# Altium PCB PIX_NANO.PcbDoc (part 1 of 2)
Units mm, origin at the board's own origin, x right, y up, seen from the top; angles counter-clockwise.
Board outline 33.01 x 30.01 mm, 4 copper layers (Top Layer, Mid-Layer 1, Mid-Layer 2, Bottom Layer); 90 components, 171 nets, 602 pads, 191 vias.
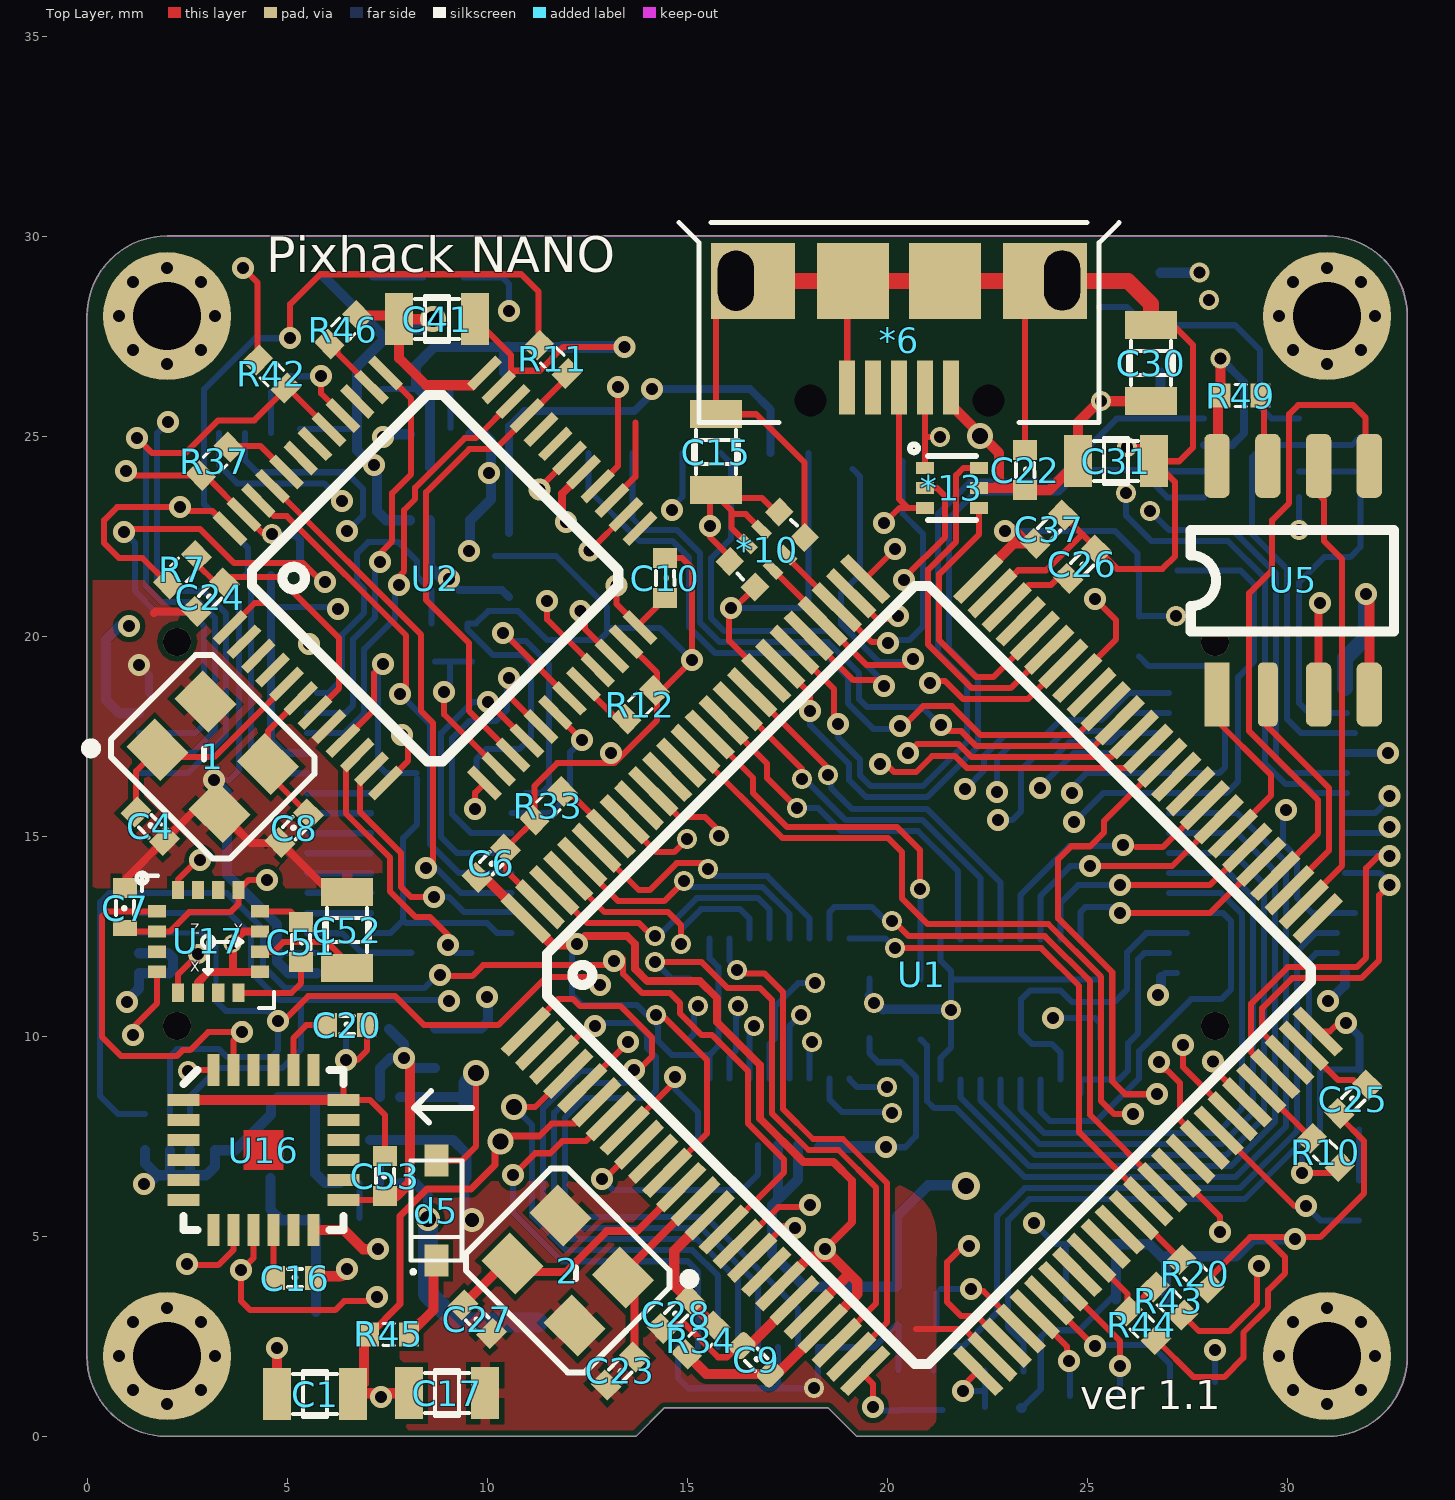
[diagram p0: Top Layer view]
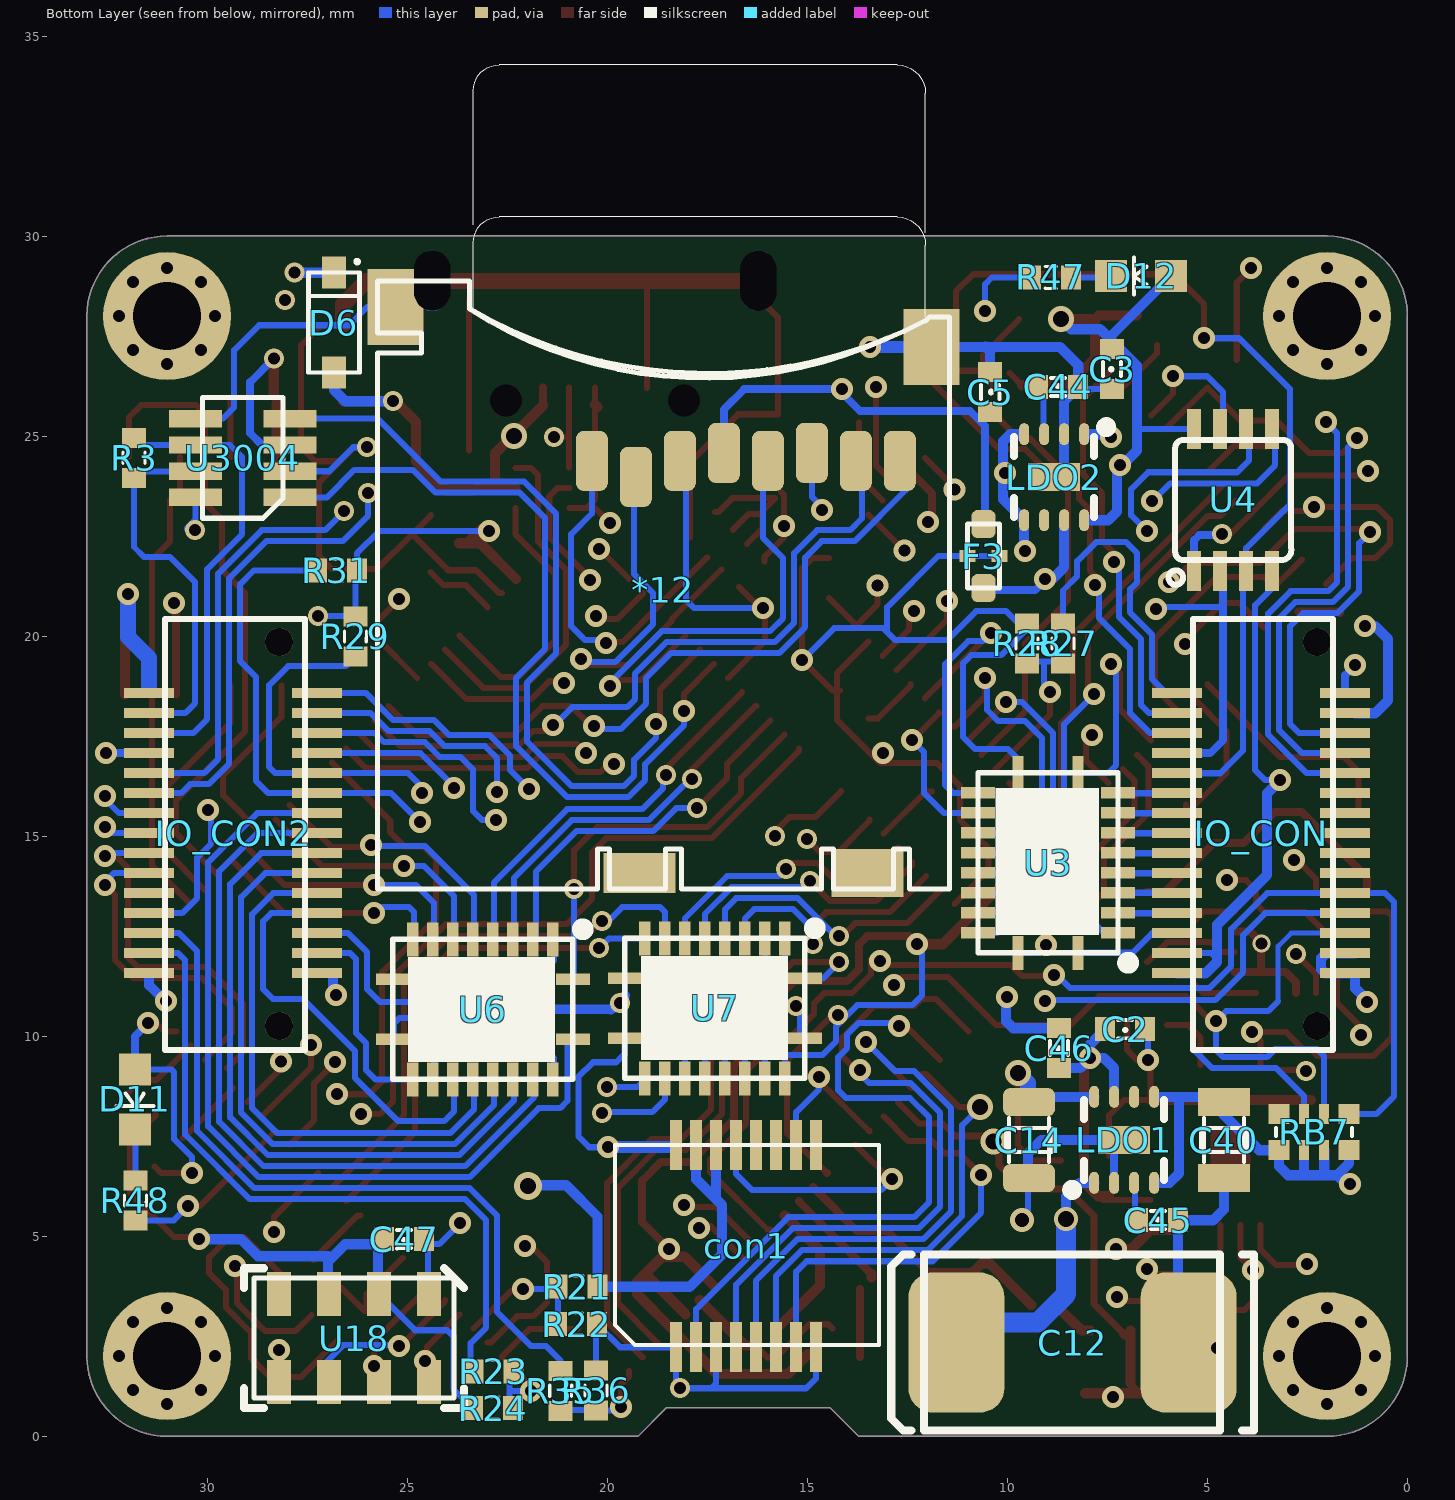
[diagram p1: Bottom Layer view, seen from below]
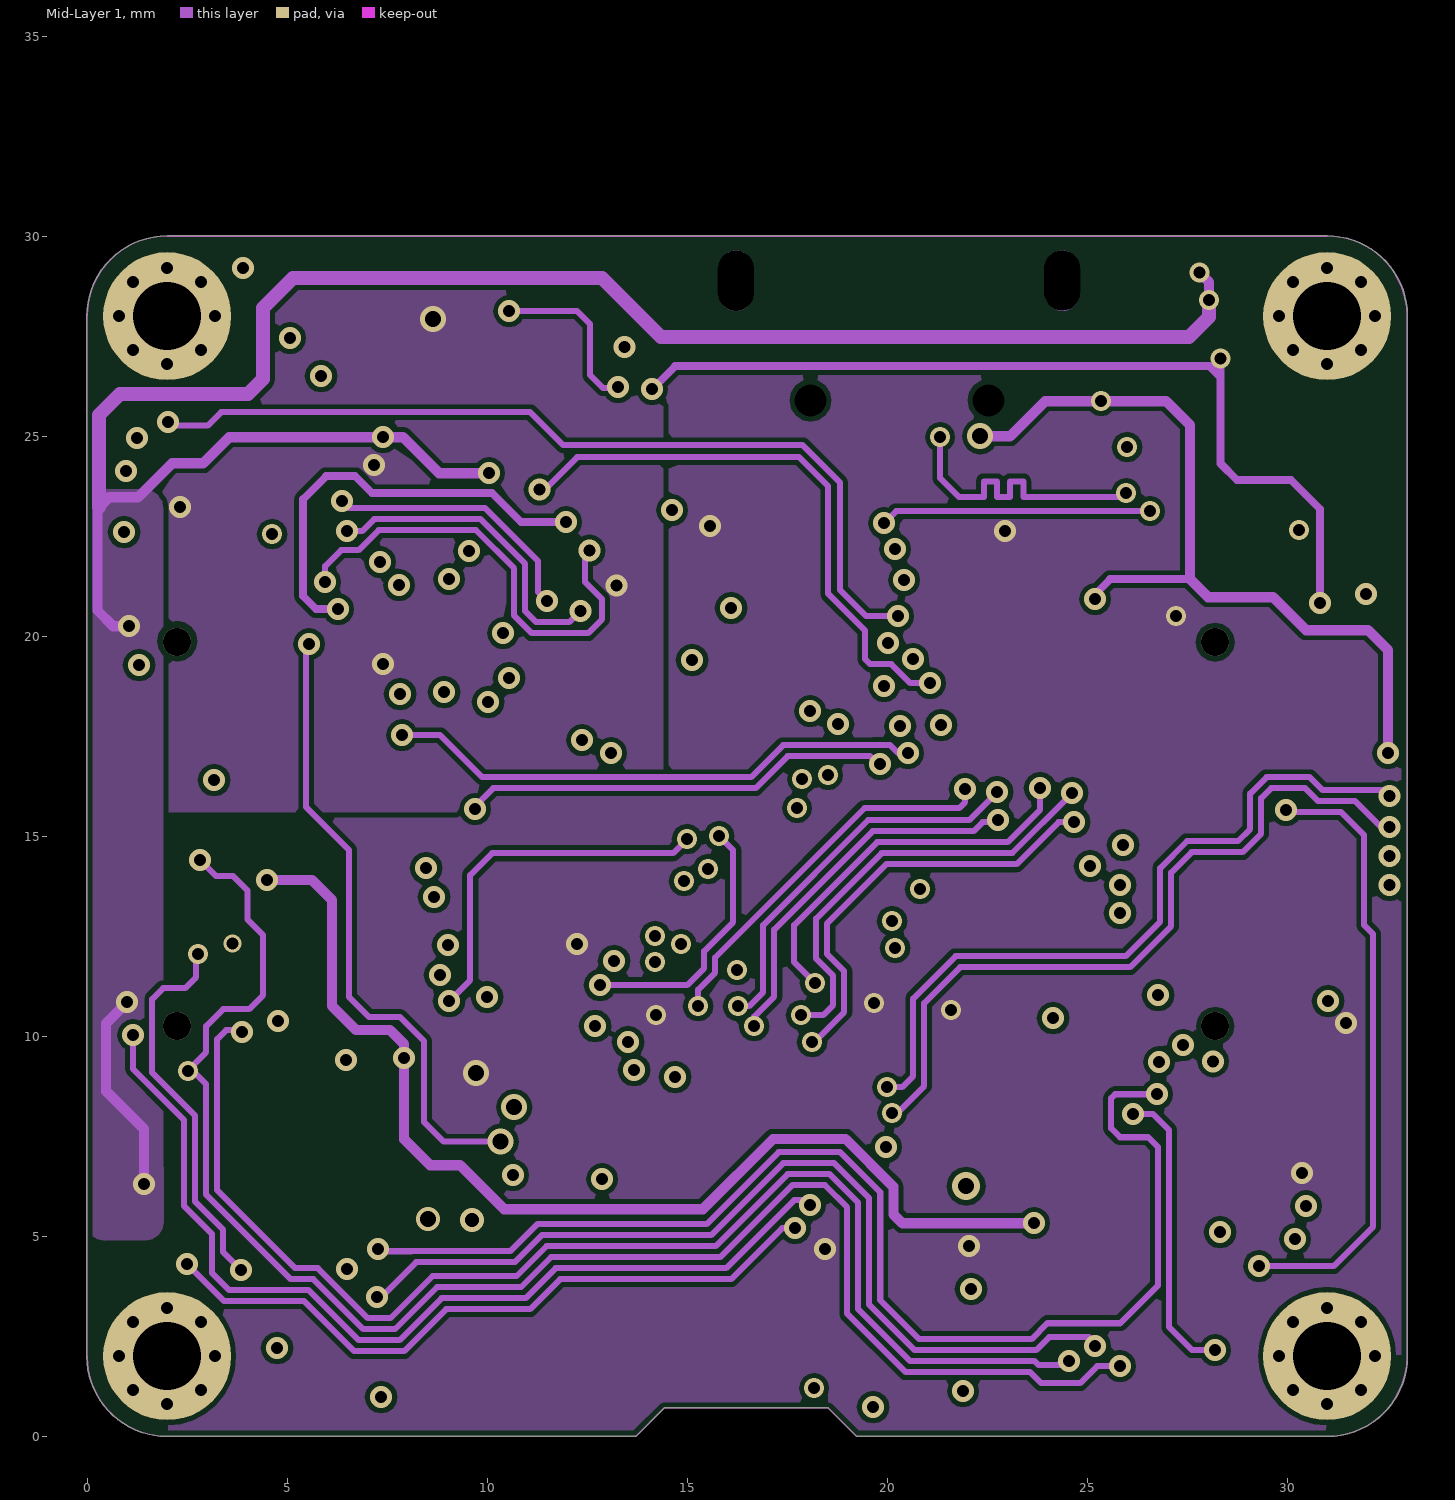
[diagram p2: Mid-Layer 1]
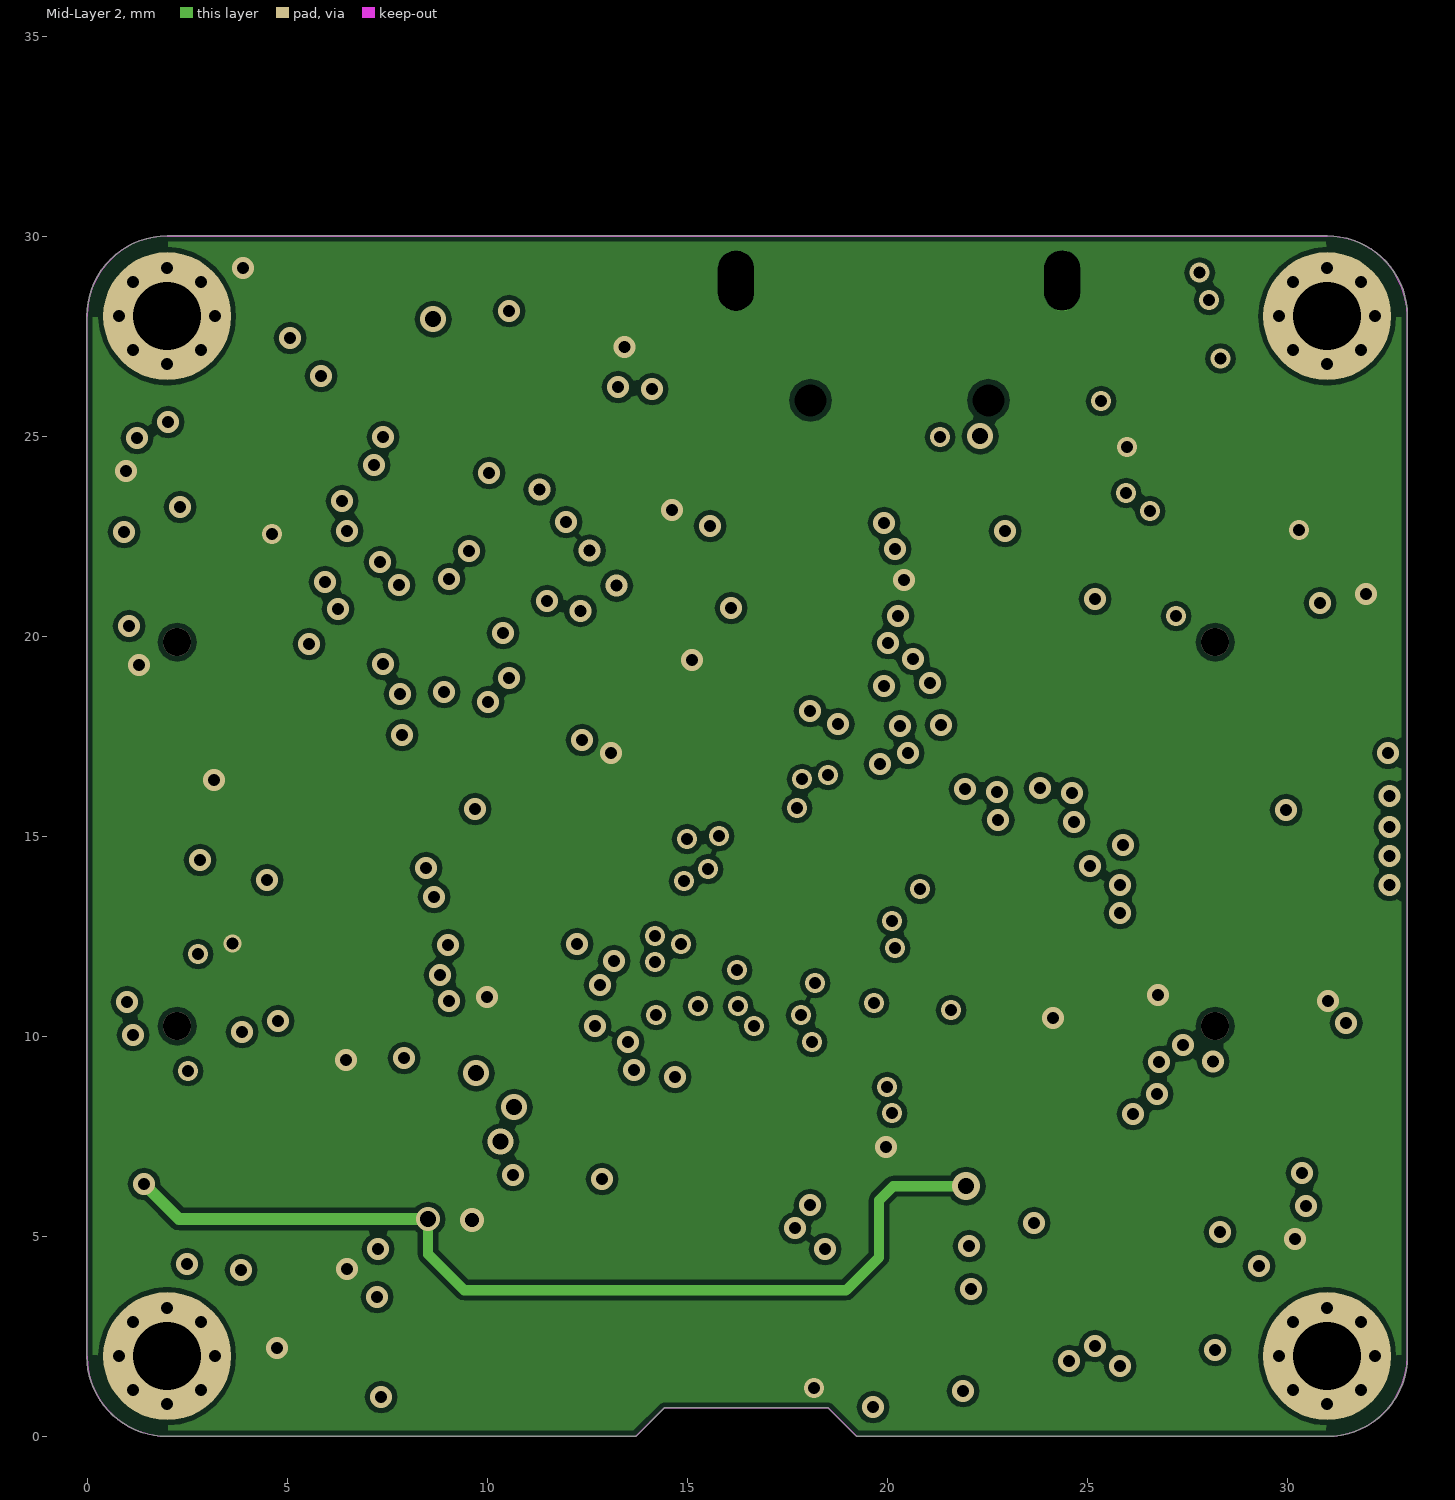
[diagram p3: Mid-Layer 2]
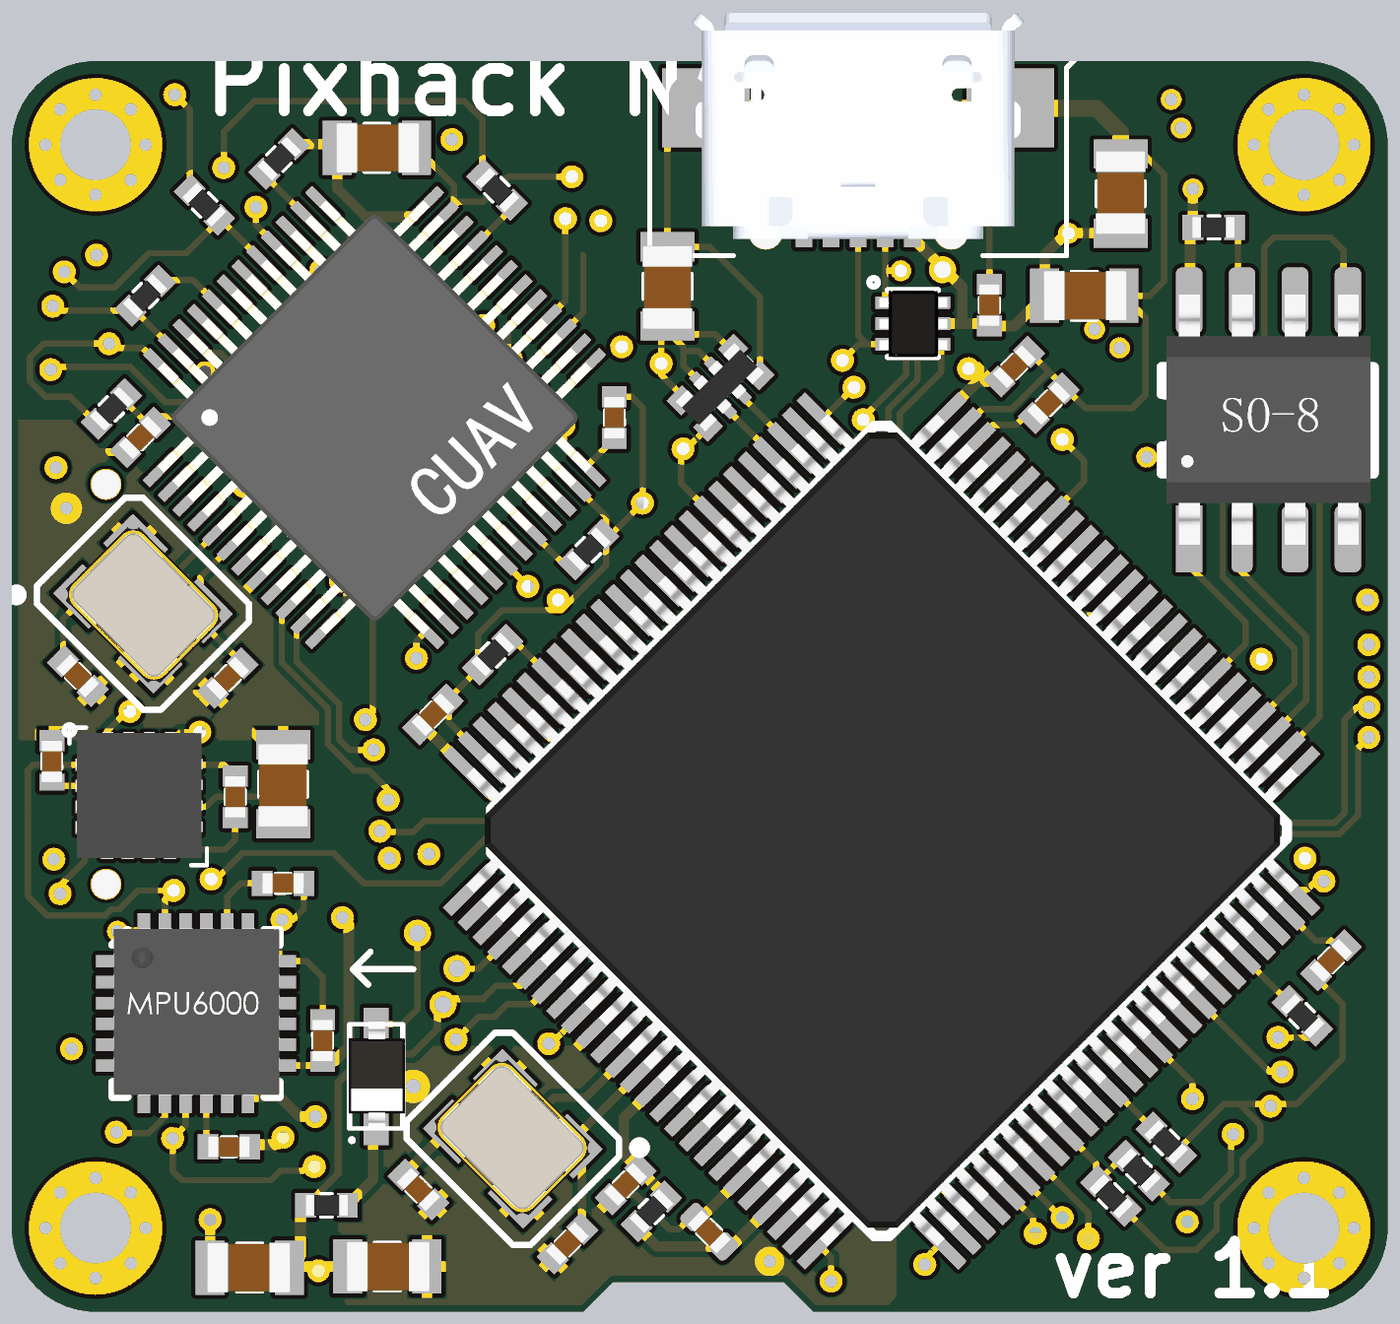
[diagram p5: 3D render of the assembled board from above, using the file's embedded part models]
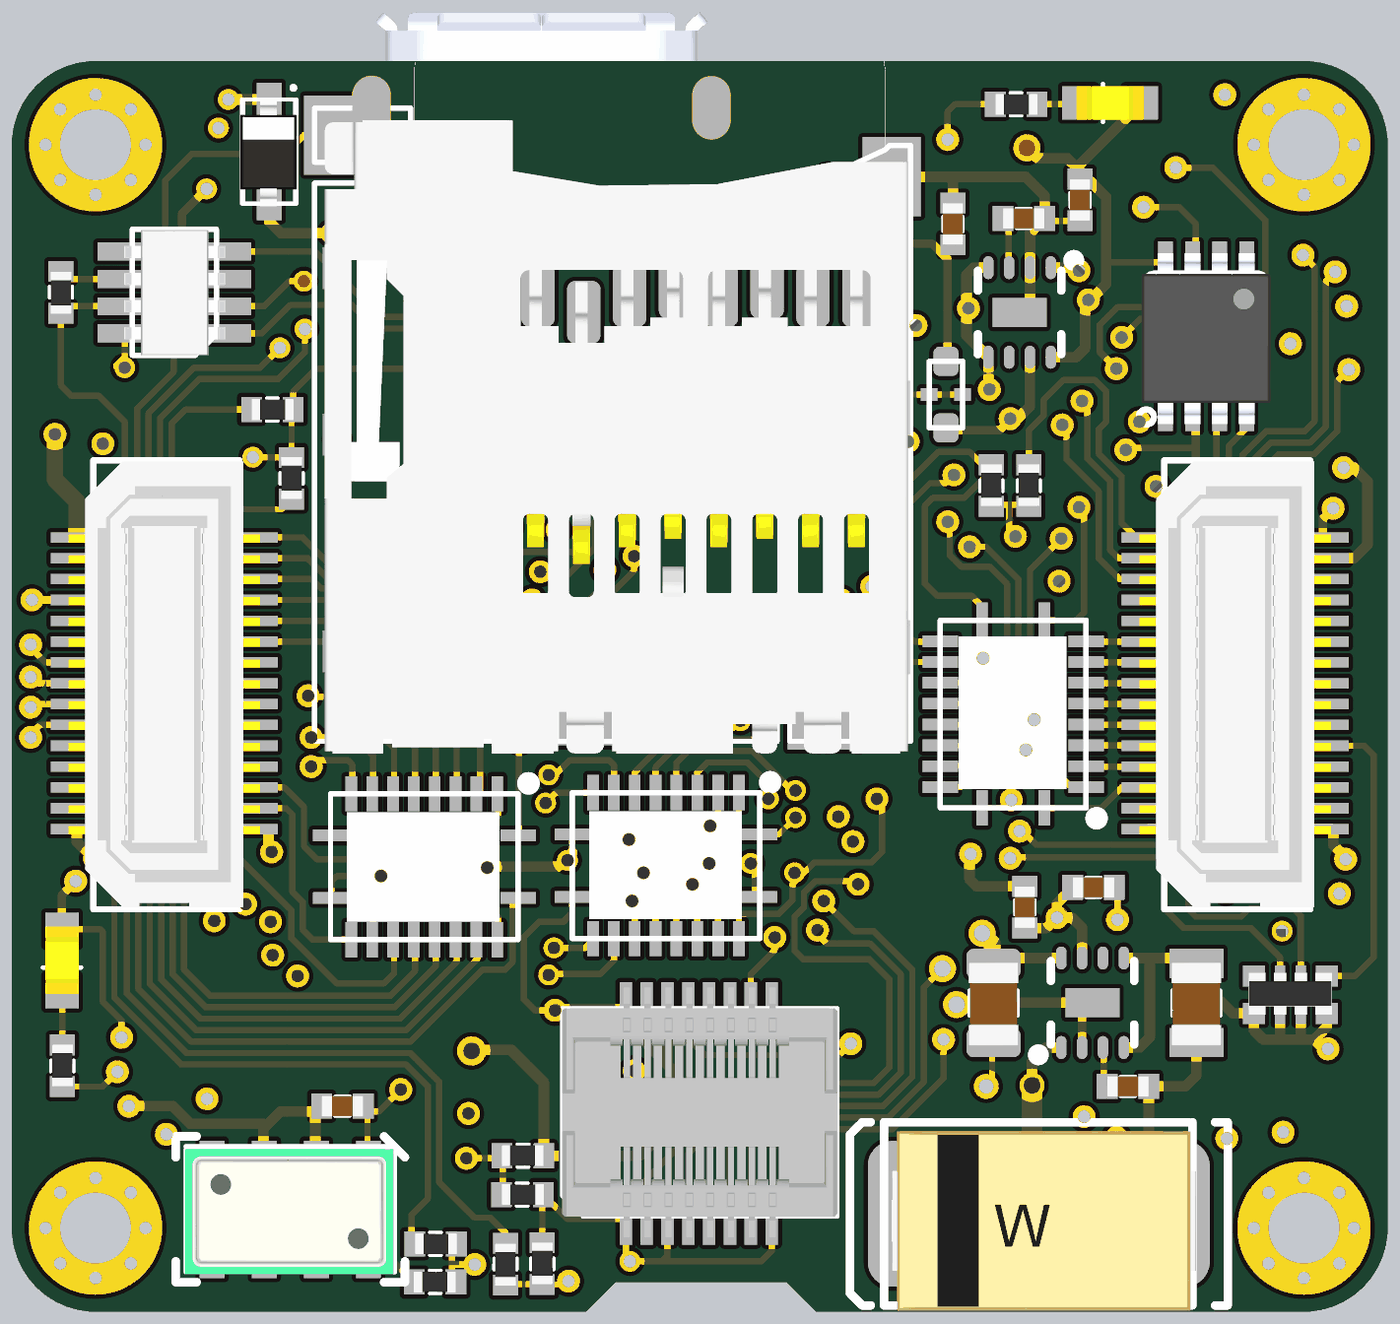
[diagram p6: 3D render of the assembled board from below, using the file's embedded part models]

## Layer stack, top to bottom
Top Solder: solder mask 0.0102, Solder Resist, Dk 3.5
Top Layer: signal copper 0.0356
Dielectric1: core 0.32, FR-4, Dk 4.8
Mid-Layer 1: signal copper 0.0356
Dielectric2: prepreg 0.32, FR-4, Dk 4.8
Mid-Layer 2: signal copper 0.0356
Dielectric3: core 0.32, FR-4, Dk 4.8
Bottom Layer: signal copper 0.0356
Bottom Solder: solder mask 0.0102, Solder Resist, Dk 3.5

## Board outline
2,-0.007 cw(c2,2) -0.007,2 -0.007,28 cw(c2,28) 2,30.007 31,30.007 cw(c31,28) 33.007,28 33.007,2 cw(c31,2) 31,-0.007 19.237,-0.007 cw(c19.237,0) 19.232,-0.005 18.522,0.705 14.428,0.705 13.718,-0.005 cw(c13.713,0) 13.713,-0.007

## Design rules (kind name [scope] priority, off if disabled: settings)
Clearance [All] p1: gap=0.125
PlaneConnect [OnLayer('Multi-Layer')] p1: planeconnectstyle=Direct reliefexpansion=0.508 reliefentries=4 reliefconductorwidth=0.254 reliefairgap=0.254
PolygonConnect [OnLayer('Multi-Layer')] p1: connectstyle=Direct reliefconductorwidth=0.254 reliefentries=4 polygonreliefangle="90 Angle" airgapwidth=0.254
RoomDefinition PIX_NANO [InComponentClass('PIX_NANO')] p1: confinementstyle=ConfineIn formatcopy=TRUE lockcomponents=FALSE outline -2.275,-2.888 37.625,-2.888 37.625,34.312 -2.275,34.312
RoutingVias [All] p1: holewidth=0.711 width=1.27 viastyle="Through Hole" minholewidth=0.711 minwidth=1.27 maxholewidth=0.711 maxwidth=1.27
SilkToSolderMaskClearance SilkscreenOverComponentPads [IsPad] p1: minsilkscreentomaskgap=0.254 clearancetoexposedcopper=TRUE
SolderMaskExpansion [All] p1: expansion=0.102
Width [All] p1: maxlimit=1 minlimit=0.125 preferedwidth=0.15 minimp=50.000000 maximp=50.000000 favimp=50.000000
28 further rules are at their usual default settings.

## Components (designator, comment, footprint, x,y, rotation, side; value= is the part's Value field where it differs from the comment)
1 "TSX-3225" TSX-3225 3.1,16.9 r135 top
2 "TSX-3225" TSX-3225 12.05,4.225 r315 top
*6 "moles usb" "moles usb" 20.225,27.612 r0 top
*10 "100k" 0402_4R 17,22.2 r225 top
*12 "TF-CARD" 47352-1001 18.15,19.5 r180 bottom
*13 "NUF2042XV6T1G" SOT563-6 21.575,23.75 r0 top
C1 "4V100UF" 0805CAP#1 5.7,1.075 r0 top
C2 "2.2uf" 0402CAP#1 7.05,10.175 r180 bottom
C3 "100nf" 0402CAP#1 7.375,26.675 r270 bottom
C4 "8PF" 0402CAP#1 1.575,15.25 r135 top
C5 "2.2uf" 0402CAP#1 10.425,26.1 r90 bottom
C6 "100nf" 0402CAP#1 10.1,14.325 r45 top
C7 "100NF" 0402CAP#2 0.95,13.2 r270 top
C8 "8PF" 0402CAP#1 5.175,15.2 r225 top
C9 "100nf" 0402CAP#3 16.726,1.911 r135 top
C10 "100nf" 0402CAP#1 14.45,21.45 r90 top
C12 "47UF 16V" 7343CAP 8.75,2.425 r180 bottom
C14 "4.7UF" 0805CAP#2 9.475,7.4 r90 bottom
C15 "4.7UF" 0805CAP#3 15.7,24.6 r90 top
C16 "100NF" 0402CAP#1 5.2,3.95 r180 top
C17 "4V100UF" 0805CAP#1 9,1.05 r180 top
C20 "10NF" 0402CAP#1 6.5,10.275 r180 top
C22 "100nf" 0402CAP#1 23.45,24.15 r90 top
C23 "8PF" 0402CAP#1 13.325,1.63 r45 top
C24 "100nf" 0402CAP#1 3.075,20.975 r225 top
C25 "2.2uf" 0402CAP#1 31.65,8.425 r225 top
C26 "2.2uf" 0402CAP#1 24.875,21.8 r45 top
C27 "8PF" 0402CAP#1 9.75,2.925 r315 top
C28 "100nf" 0402CAP#1 14.723,3.048 r225 top
C30 "4.7UF" 0805CAP#1 26.625,26.825 r270 top
C31 "4.7UF" 0805CAP#1 25.725,24.35 r180 top
C37 "100nf" 0402CAP#1 24.05,22.675 r45 top
C40 "4.7UF" 0805CAP#1 4.607,7.401 r90 bottom
C41 "4.7UF" 0805CAP#1 8.75,27.9 r180 top
C44 "100NF" 0402CAP#1 8.724,26.232 r0 bottom
C45 "100NF" 0402CAP#1 6.225,5.4 r0 bottom
C46 "100NF" 0402CAP#1 8.7,9.7 r270 bottom
C47 "100NF" 0402CAP#1 25.075,4.925 r180 bottom
C51 "220nf" 0402CAP#1 5.35,12.35 r90 top
C52 "4.7uf" 0805cap 6.475,12.65 r90 top
C53 "100NF" 0402CAP#1 7.45,6.5 r270 top
con1 "55560-0168" 547220164 16.5,4.85 r180 bottom
d5 "4148" SOD323 8.95,5.625 r0 top
D6 "4148" SOD323 27.05,27.85 r0 bottom
D11 "LED1" 0603-LED-YE 31.775,8.35 r270 bottom
D12 "LED1" 0603-LED-YE 6.725,28.975 r0 bottom
F3 "KYOCERA-KNH16-DA" KYOCERA-KNH16-DA 10.475,22.025 r270 bottom
IO_CON "AXK630247YG" AXK630247YG 3.55,15.15 r90 bottom
IO_CON2 "AXK630247YG" AXK630247YG 29.25,15.15 r90 bottom
LDO1 "MIC5530" MIC5530 7.074,7.407 r90 bottom
LDO2 "MIC5530" MIC5530 8.825,23.975 r270 bottom
R3 "100K" R0402 31.85,24.45 r90 bottom
R7 "10k" R0402 2.4,21.65 r225 top
R10 "10K" R0402 30.95,7.075 r135 top
R11 "10k" R0402 11.625,26.9 r135 top
R12 "10K" R0402 13.85,18.275 r225 top
R20 "10k" R0402 27.707,4.076 r315 top
R21 "10k" R0402 20.749,3.757 r180 bottom
R22 "10K" R0402 20.749,2.782 r0 bottom
R23 "10k" R0402 22.832,1.601 r0 bottom
R24 "1M" R0402 22.857,0.726 r180 bottom
R27 "10k" R0402 8.582,19.826 r270 bottom
R28 "10K" R0402 9.482,19.826 r270 bottom
R29 "1k5" R0402 26.275,20 r270 bottom
R31 "1k5" R0402 26.75,21.625 r0 bottom
R33 "10k" R0402 11.55,15.75 r225 top
R34 "10k" R0402 15.357,2.392 r225 top
R35 "10k" R0402 21.182,1.126 r90 bottom
R36 "1M" R0402 20.257,1.151 r270 bottom
R37 "10K" R0402 3.175,24.384 r45 top
R42 "10K" R0402 4.625,26.575 r315 top
R43 "10k" R0402 27.05,3.4 r315 top
R44 "10K" R0402 26.357,2.751 r135 top
R45 "220r" R0402 7.55,2.525 r180 top
R46 "10K" R0402 6.425,27.65 r225 top
R47 "220R" R0402 8.9,28.95 r0 bottom
R48 "220r" R0402 31.775,5.9 r270 bottom
R49 "10K" R0402 28.829,26.035 r0 top
RB7 "1M" 0402_4R 2.3,7.625 r0 bottom
U1 "STM32F4" TQFP100_2 21.025,10.912 r45 top
U2 "STM32F100" TQFP48 8.875,21.487 r45 top
U3 "TXS0108E" QFN20-RGY 8.9,13.875 r90 bottom
U4 "74LVC2G240" "TSSOP8 - duplicate" 4.4,23.225 r90 bottom
U5 "FM25V01-G" SO-8 30.15,21.4 r90 top
U6 "TXS0108E" QFN20-RGY 22.65,10.75 r0 bottom
U7 "TXS0108E" QFN20-RGY 16.85,10.775 r0 bottom
U16 "mpu6000" MPU6000 4.325,7.187 r0 top
U17 "HMC5983" HMC5983 3.125,12.337 r0 top
U18 "ms5611" ms5611 26.375,2.425 r180 bottom
U3004 "3.3-V CAN TRANSCEIVER" SOT23-8 29.225,24.45 r90 bottom
